# Altium PCB PCB1.PcbDoc (continued)
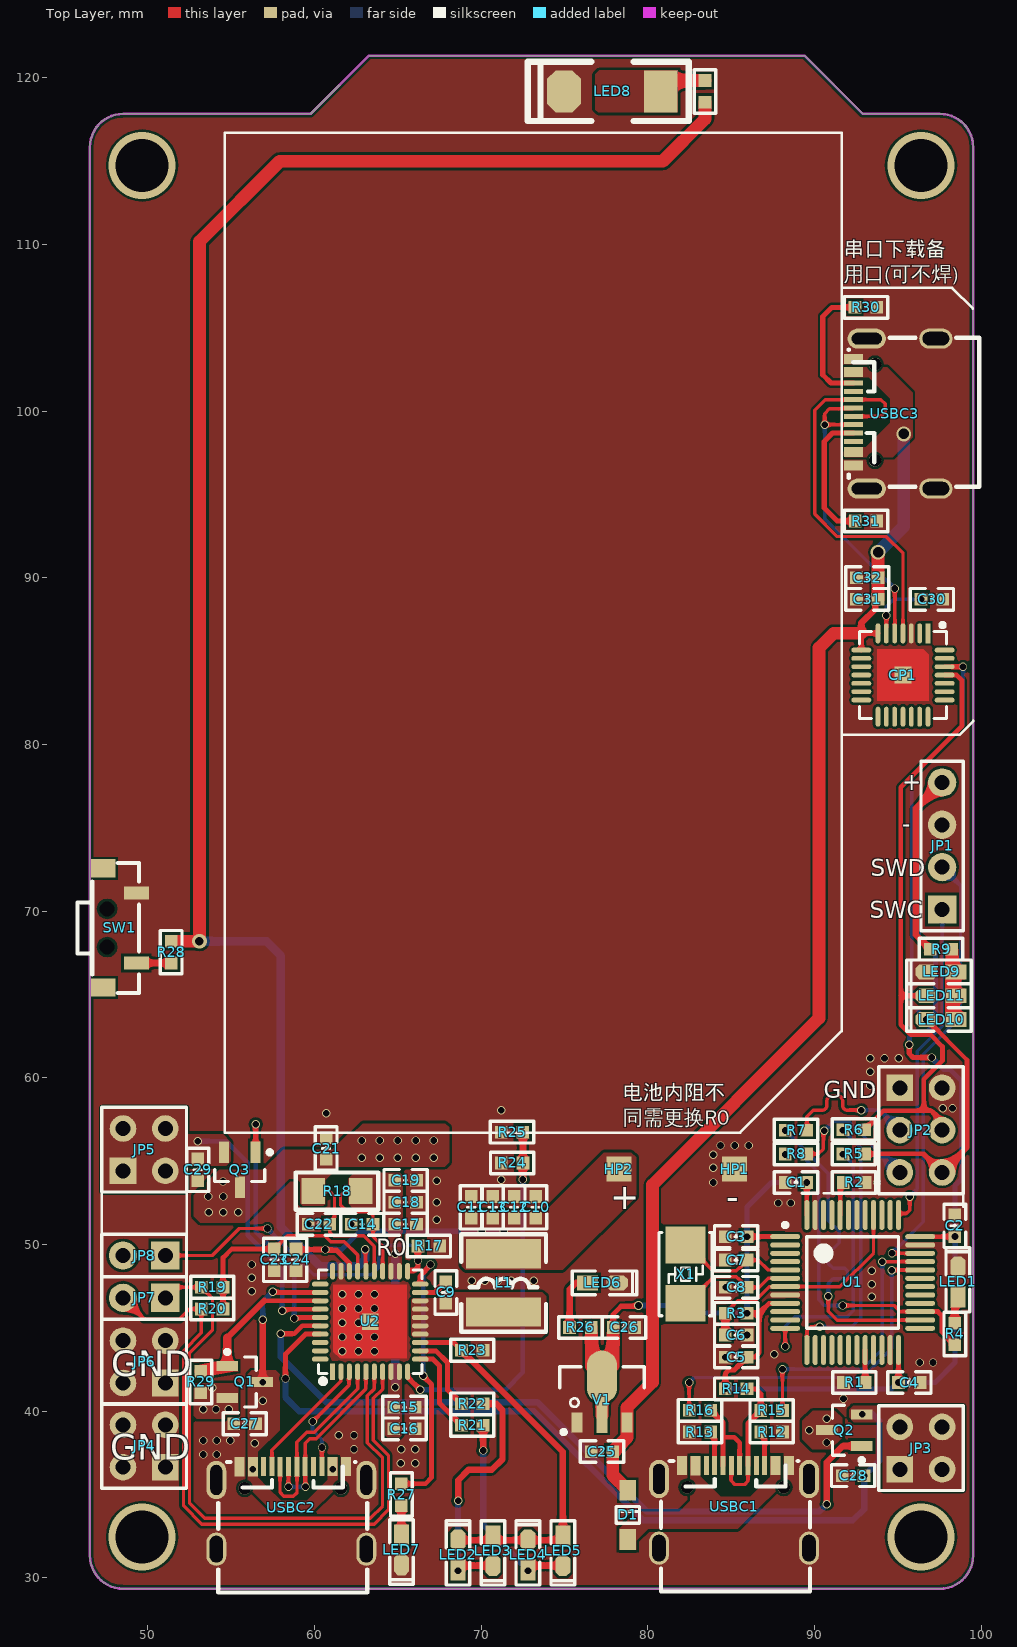
[diagram p0: Top Layer view]
## Nets (pads, with @x,y where several pads share a name; then routed paths per layer and width w, separated by ;. In a path a pad name is that pad's centre, name@x,y a point inside that pad or via, vN(x,y) a via of type N, cw(c..) or ccw(c..) an arc to the next point about the centre after c; other vN are vias at no path point) (continued)
DM: R16.2 U1.32 | length 21.1
  Top Layer w0.203: R16.2 v1(82.482,41.719) ; v1(94.64,48.46) 94.645,48.465 96.342,48.465 U1.32
  Bottom Layer w0.203: v1(82.482,41.719) 82.779,42.016 92.876,42.016 94.64,43.78 v1(94.64,48.46)
DMC: U2.4 USBC2.A7 USBC2.B7 | length 11.8
  Top Layer w0.203: USBC2.B7 57.936,36.656 57.936,35.118 58.158,34.896 58.735,34.896 58.954,35.115 58.954,36.662 USBC2.A7 58.948,38.147 59.536,38.736 59.991,38.736 62.591,41.336 U2.4
DP: R15.2 U1.33 | length 16.5
  Top Layer w0.203: R15.2 v1(88.082,42.52) ; v1(94.08,48.966) 94.082,48.968 96.345,48.968 U1.33
  Bottom Layer w0.203: v1(88.082,42.52) 92.877,42.52 94.08,43.723 v1(94.08,48.966)
DPC: U2.5 USBC2.A6 USBC2.B6 | length 11
  Top Layer w0.203: v1(58.44,35.46) 58.44,36.477 58.48,36.518 58.44,36.558 58.5,36.618 USBC2.A6 ; v1(59.46,35.46) 59.417,35.46 59.408,35.469 59.448,35.509 USBC2.B6 59.448,38.068 59.72,38.34 60.098,38.34 63.087,41.329 63.087,42.367 U2.5
  Bottom Layer w0.203: v1(58.44,35.46) 58.44,35.45 59.45,35.45 v1(59.46,35.46)
GND: C1.1 C2.1 C3.1 C4.1 C5.1 C6.1 C7.1 C8.1 C10.2 C11.2 C12.1 C13.1 C14.1 C15.2 C16.2 C17.2 C18.2 C19.2 C21.1 C22.1 C23.2 C24.2 C25.1 C26.1 C27.1 C28.2 C29.1 C30.2 C31.2 C32.2 CP1.3 CP1.29 HP1.1 JP1.3 JP2.1 JP2.2 JP4.1 JP4.2 JP4.3 JP4.4 JP6.1 JP6.2 JP6.3 JP6.4 LED1.2 LED6.2 LED7.2 LED8.2 LED9.2 R1.2 R2.2 R12.2 R13.1 R17.2 R23.1 R24.2 R25.2 R30.2 R31.1 SW1.2 U1.8 U1.23 U1.35 U1.47 U2.29 U2.41 USBC1.0 USBC1.A1 USBC1.A12 USBC1.B1 USBC1.B12 USBC2.0 USBC2.A1 USBC2.A12 USBC2.B1 USBC2.B12 USBC3.0 USBC3.A1 USBC3.A12 USBC3.B1 USBC3.B12 V1.1
  other v1: 65.187,36.88 66.05,36.88 53.32,37.397 54.13,37.4 62.373,37.72 65.2,37.72 66.05,37.72 53.32,38.24 54.13,38.24 54.94,38.24 61.46,38.549 62.373,38.549 91.747,40.74 96.314,42.915 97.115,42.915 84.656,43.243 87.6,43.42 61.66,43.6 62.64,43.6 63.6,43.6 61.66,44.453 62.64,44.453 63.6,44.453 85.956,44.568 61.66,45.305 62.64,45.305 61.66,46.158 62.64,46.158 63.6,46.158 93.44,46.859 61.66,47.01 62.64,47.01 63.6,47.01 56.233,47.2 84.68,47.438 93.44,47.62 69.44,47.82 70.227,47.82 71.013,47.82 71.8,47.82 73.166,47.82 56.233,48 93.44,48.42 56.233,48.8 59.617,51.212 62.215,51.213 67.348,51.48 87.84,52.491 88.58,52.491 67.348,52.53 83.92,53.721 93.76,53.721 67.348,53.83 71.214,53.881 83.92,54.6 83.92,55.384 84.368,55.936 85.214,55.936 86.06,55.936 60.711,57.88 71.2,58.06 97.693,58.18 98.283,58.18 93.351,59.54 93.351,60.36 93.351,61.18 94.201,61.18 95.051,61.18
KEY: R10.2 R28.1 U2.26 | length 107.8
  Top Layer w0.203: v1(63.04,49.72) 63.073,49.687 63.073,48.415 U2.26
  Top Layer w0.762: R28.1 v5(53.1,68.193) 53.1,110.18 57.92,115 80.9,115 83.44,117.54 R10.2
  Bottom Layer w0.508: v5(53.1,68.193) 57.127,68.193 57.98,67.34 57.98,51.06 60.351,48.689 62.629,48.689 63.04,49.1 v1(63.04,49.72)
LIGHT: R27.1 U2.20 | length 16.6
  Top Layer w0.279: R27.1 66.664,35.644 67.02,36 67.02,41.62 v1(66.52,42.12) ; U2.20 66.341,48.122 66.96,48.74 v1(66.96,48.8)
  Bottom Layer w0.279: v1(66.52,42.12) 66.52,48.3 66.96,48.74 v1(66.96,48.8)
NetC7_2: C7.2 U1.5 X1.2 | length 7.1
  Top Layer w0.203: X1.2 82.372,49.97 83.911,48.432 85.32,48.432 C7.2 86.633,49.067 87.23,48.47 U1.5
NetC8_2: C8.2 U1.6 X1.1 | length 7.1
  Top Layer w0.203: X1.1 82.372,46.47 83.964,48.061 85.32,48.061 C8.2 86.696,47.426 87.24,47.97 U1.6
NetC9_1: C9.1 L1.1 U2.14 U2.15 U2.16 U2.17 U2.18
NetC30_1: C30.1 CP1.6 | length 3.9
  Top Layer w0.203: CP1.6 94.317,86.672 94.317,87.737 v1(94.32,87.74)
  Bottom Layer w0.203: v1(94.32,87.74) 94.32,88.28 94.749,88.709 v1(96.393,88.709)
NetD1_1: D1.1 USBC1.A4 USBC1.A9 USBC1.B4 USBC1.B9
NetLED1_1: LED1.1 R4.2 | length 1.7
  Top Layer w0.381: R4.2 98.423,46.677 LED1.1
NetLED2_1: LED2.1 LED3.2 R22.1 | length 14.7
  Top Layer w0.381: v1(68.62,34.623) 68.62,35.86 69.24,36.48 70.64,36.48 71.28,37.12 71.28,40.06 70.9,40.44 R22.1 ; LED2.1@68.866,30.734 LED3.2
  Bottom Layer w0.381: v1(68.612,30.42) 68.616,30.424 68.616,34.611 68.62,34.615 v1(68.62,34.623)
NetLED2_2: LED2.2 LED3.1 LED4.2 LED5.1 R23.2 U2.13 | length 22.7
  Top Layer w0.305: U2.13 68.352,44.121 R23.2
  Top Layer w0.381: LED2.2 LED4.2 74.651,32.258 LED5.1 74.905,37.568 R23.2
NetLED4_1: LED4.1 LED5.2 R21.1 | length 11.7
  Top Layer w0.381: v1(70.119,37.639) R21.1 ; LED4.1@73.061,30.734 LED5.2
  Bottom Layer w0.127: v1(72.814,30.42) v1@72.814,30.486
  Bottom Layer w0.381: v1(70.119,37.639) 70.119,33.181 v1@72.814,30.486
NetLED6_1: LED6.1 R26.2 | length 3.5
  Top Layer w0.381: R26.2 75.309,47.309 75.699,47.699 LED6.1
NetLED7_1: LED7.1 R27.2 | length 1.8
  Top Layer w0.381: R27.2 65.218,34.341 65.218,32.569 LED7.1
NetLED8_1: LED8.1 R10.1 | length 2.9
  Top Layer w0.762: LED8.1 80.783,119.205 81.418,119.84 R10.1
NetLED9_1: LED9.1 LED10.1 LED11.1 R9.2 | length 4.4
  Top Layer w0.762: R9.2 98.249,63.563 98.313,63.5 LED10.1
NetR1_1: R1.1 U1.20 | length 2
  Top Layer w0.305: R1.1 U1.20
NetR2_1: R2.1 U1.44 | length 2
  Top Layer w0.279: U1.44 91.551,51.774 91.551,53.541 R2.1
NetR12_1: R12.1 USBC1.B5 | length 2.1
  Top Layer w0.305: R12.1 87.011,38.519 87.011,36.734 USBC1.B5
NetR13_2: R13.2 USBC1.A5 | length 2.1
  Top Layer w0.305: R13.2 84.011,38.519 84.011,36.734 USBC1.A5
NetR21_2: R21.2 U2.11 | length 5.4
  Top Layer w0.305: U2.11 66.344,43.118 67.107,43.118 67.514,42.712 67.514,40.453 R21.2
NetR22_2: R22.2 U2.12 | length 4.8
  Top Layer w0.305: U2.12 67.279,43.621 67.978,42.922 67.978,41.281 R22.2
NetR24_1: R24.1 R25.1 U2.10 | length 22.4
  Top Layer w0.279: U2.10 65.591,42.025 66.335,41.281 v1(66.34,41.281)
  Top Layer w0.381: v1(72.507,53.9) 72.507,54.889 R24.1 72.511,54.899 72.511,56.734 R25.1
  Bottom Layer w0.279: v1(66.34,41.281) 71.466,41.281 72.507,42.322 v1(72.507,53.9)
NetR28_2: R28.2 SW1.1 | length 2.1
  Top Layer w0.381: SW1.1 R28.2
NetR30_1: R30.1 USBC3.B5 | length 7.7
  Top Layer w0.305: USBC3.B5 92.336,101.694 90.996,101.694 90.5,102.19 90.5,105.68 91.055,106.235 R30.1
NetR31_2: R31.2 USBC3.A5 | length 8.1
  Top Layer w0.305: USBC3.A5 91.091,98.691 90.589,98.189 90.589,94.191 91.371,93.409 R31.2
NRST: C6.2 R3.1 U1.7 U1.40 | length 14
  Top Layer w0.203: R3.1 85.406,46.62 86.443,46.62 87.294,47.47 U1.7 91.53,47.47 93.547,49.487 U1.40
  Top Layer w0.381: C6.2 R3.1
PA2: R5.1 U1.12 | length 16.4
  Top Layer w0.203: v1(88.247,43.88) U1.12
  Bottom Layer w0.203: v1(88.247,43.88) 88.247,45.094 88.822,45.669 91.973,45.669 92.339,46.035 92.339,54.792 v1(91.711,55.42)
PA3: R6.1 U1.13 | length 16.4
  Top Layer w0.203: U1.13 89.547,44.827 89.78,45.06 v1(90.32,45.06)
  Bottom Layer w0.203: v1(90.32,45.06) 92.236,45.06 92.78,45.604 92.78,55.795 v1(91.711,56.864)
PB13: R7.1 U1.26 | length 20
  Top Layer w0.203: v1(90.84,46.9) 90.84,45.987 91.363,45.464 96.341,45.464 U1.26
  Bottom Layer w0.203: v1(88.247,56.84) 88.26,56.84 90.84,54.26 90.84,51.436 91.48,50.796 91.48,50.1 90.84,49.46 90.84,48.86 91.12,48.58 91.82,48.58 91.983,48.417 91.983,48.103 91.816,47.936 91.116,47.936 90.84,47.66 v1(90.84,46.9)
PB14: R4.1 R8.1 U1.27 | length 19.9
  Top Layer w0.203: v1(91.7,46.34) 94.787,46.34 95.159,45.968 96.345,45.968 U1.27
  Top Layer w0.305: U1.27 96.35,45.968 97.402,45.968 97.663,45.707 97.663,44.74 R4.1
  Bottom Layer w0.203: v1(88.247,55.4) 89.18,55.4 90.263,54.317 90.263,46.677 90.6,46.34 v1(91.7,46.34)
RSET: JP8.1 R17.1 U2.21 | length 21
  Top Layer w0.203: JP8.1 53.859,49.34 55.48,50.96 v1(57.18,50.96)
  Top Layer w0.305: U2.21 65.591,48.439 65.594,48.441 66.001,48.441 66.215,48.655 v1(66.215,49.04) 66.208,49.048 66.208,49.903 R17.1
  Bottom Layer w0.203: v1(57.18,50.96) 59.959,48.181 63.421,48.181 63.86,48.62 63.86,49.6 64.208,49.948 65.842,49.948 66.215,49.574 v1(66.215,49.04)
RX: CP1.25 JP2.4 LED11.2 R6.2 | length 38.4
  Top Layer w0.279: R6.2 94.146,58.029 96.571,58.029 ; LED11.2 95.18,64.929 ; JP2.4 97.559,56.76 97.559,56.864 97.559,57.481 97.011,58.029 96.571,58.029 ; CP1.25@97.814,84.169 98.531,84.169 98.86,83.84 98.86,81.12 95.18,77.44 95.18,64.929 ; 95.18,64.929 95.18,63.18 95.78,62.58 96.98,62.58 97.682,61.878 97.682,61.015 96.571,59.904 96.571,58.029
SDA: JP7.2 R20.2 U2.7 | length 39.7
  Top Layer w0.203: JP7.2 49.793,45.52 51.9,45.52 52.513,46.133 R20.2 53.217,44.7 52.144,43.627 52.144,34.316 53.236,33.224 63.584,33.224 64.442,34.082 64.442,37.341 63.54,38.243 63.54,40.776 64.091,41.327 U2.7
SLK: JP7.1 R19.1 U2.6 | length 37.1
  Top Layer w0.203: JP7.1 51.689,47.434 R19.1 53.226,47.434 53.88,46.78 53.88,44.86 52.5,43.48 52.5,34.5 53.42,33.58 63.36,33.58 64.086,34.306 64.086,37.194 63.18,38.1 63.18,40.919 63.591,41.33 U2.6
SWC: JP2.3 R7.2 | length 8.3
  Top Layer w0.203: R7.2 89.547,57.667 89.94,58.06 90.28,58.06 90.468,58.06 ccw(c90.468,58.342) 90.75,58.342 90.75,58.631 cw(c91.032,58.631) 91.032,58.913 91.408,58.913 cw(c91.408,58.631) 91.69,58.631 91.69,58.342 ccw(c91.972,58.342) 91.972,58.06 v1(92.82,58.06)
  Bottom Layer w0.203: v1(92.82,58.06) 93.927,58.06 JP2.3
SWCIN: JP1.1 U1.37 | length 19.7
  Top Layer w0.203: U1.37 95.047,51.816 95.092,51.861 95.521,51.861 95.72,52.06 v1(95.72,52.87)
  Bottom Layer w0.203: v1(95.72,52.87) 96.177,53.327 96.177,61.597 97.672,63.092 97.672,70.095 JP1.1
SWD: JP2.5 R8.2 | length 8.3
  Top Layer w0.203: R8.2 90.24,55.435 90.532,55.728 90.532,56.763 v1(90.589,56.82)
  Bottom Layer w0.203: v1(90.589,56.82) 91.156,57.387 92.048,57.387 95.111,54.324 JP2.5
SWDIN: JP1.2 U1.34 | length 27
  Top Layer w0.203: v1(94.66,49.48) 94.665,49.475 96.342,49.475 U1.34
  Bottom Layer w0.203: v1(94.66,49.48) 96.536,51.356 96.536,61.429 98.767,63.66 98.767,71.54 JP1.2
TX: CP1.26 JP2.6 LED10.2 R5.2 | length 39.8
  Top Layer w0.279: R5.2 96.552,55.435 JP2.6 99.157,55.818 99.157,61.071 96.728,63.5 v1(96.71,63.5) ; CP1.26 v1(98.92,84.669)
  Bottom Layer w0.203: v1(96.71,63.5) 96.71,63.508 95.84,64.378 95.84,78.12 98.92,81.2 v1(98.92,84.669)
USB_D+: R14.1 R15.1 USBC1.A6 USBC1.B6 | length 8.6
  Top Layer w0.203: USBC1.A6 85.001,36.72 85.001,35.812 85.213,35.6 85.813,35.6 86.013,35.8 USBC1.B6
  Top Layer w0.305: R14.1 86.481,41.339 86.782,41.038 R15.1 86.013,39.27 USBC1.B6
USB_D-: R16.1 USBC1.A7 USBC1.B7 | length 6.2
  Top Layer w0.203: USBC1.B7@84.48,36.697 USBC1.B7
  Top Layer w0.279: 84.513,38.426 85.194,38.426 85.513,38.107 USBC1.A7
  Top Layer w0.305: R16.1 84.513,39.319 84.513,38.44 ; USBC1.B7 84.513,38.426
VBAT+: C10.1 C11.1 C12.2 C13.2 C24.1 HP2.1 L1.2 U2.28 | length 15.2
  Top Layer w0.305: C24.1 58.924,49.7 v1(60.64,49.7) 60.677,49.663 61.318,49.663 62.089,48.892 62.089,48.399 U2.28
  Bottom Layer w0.305: v1(60.64,49.7) 61.643,49.7 62.736,50.793 v1(70.047,50.793) 70.054,50.787 71.342,50.787 v1(71.349,50.78)
VBUS: C27.2 Q1.3 U2.32 USBC2.A4 USBC2.A9 USBC2.B4 USBC2.B9 | length 8.5
  Top Layer w0.279: v1(57.5,47.175) 57.554,47.121 U2.32
  Top Layer w0.381: Q1.3 56.9,41.785 v1(56.9,45.48)
  Bottom Layer w0.279: v1(56.9,45.48) 56.9,46.575 v1(57.5,47.175)
  other v1: 56.293,36.512 61.091,36.512 56.421,38.08 56.9,40.616 56.9,41.735
VBUSG: Q1.1 R29.2 U2.33 | length 9.8
  Top Layer w0.279: 56.981,46.621 U2.33
  Top Layer w0.381: 54.766,44.406 56.981,46.621
  Top Layer w0.508: Q1.1 54.766,44.406
  Top Layer w0.762: R29.2 Q1.1
VMID: C21.2 C22.2 Q1.2 Q2.3 Q3.3 R18.1 R29.1 U2.25 | length 7.8
  Top Layer w0.203: R18.1@60.32,53.2 60.905,53.2 61.2,52.905 61.2,51.493 C22.2 60.92,50.74 61.14,50.52 62.953,50.52 63.591,49.882 U2.25
  other v1: 90.739,38.12 89.7,38.86 90.739,39.547 53.32,40.12 54.09,40.12 54.86,40.12 53.867,41.402 53.65,51.94 54.536,51.94 55.42,51.94 53.634,52.883 54.52,52.883 54.516,53.78 62.84,55.2 63.92,55.2 65,55.2 66.08,55.2 67.16,55.2 62.84,56.24 63.92,56.24 65,56.24 66.08,56.24 67.16,56.24
VOUT1: C28.1 JP3.1 JP3.2 JP3.3 JP3.4 Q2.2 U2.37 | length 50.1
  Top Layer w0.305: v1(58.26,41.96) 58.26,43.42 59.458,44.618 60.339,44.618 U2.37
  Bottom Layer w0.381: v1(58.26,41.96) 58.26,40.82 59.08,40 73.166,40 79.719,33.447 92.307,33.447 92.98,34.12 v1(92.98,36.131) 93.88,37.031 93.88,39.42 93.49,39.81 v1(92.87,39.81)
VOUT1G: Q2.1 U2.36 | length 45.7
  Top Layer w0.279: v1(57.983,44.64) 58.78,44.64 59.261,45.121 U2.36
  Top Layer w0.381: v1(90.739,34.42) 90.739,36.939 91.71,37.91 Q2.1
  Bottom Layer w0.381: v1(57.983,44.64) 57.983,43.257 60.707,40.533 73.387,40.533 79.94,33.98 90.299,33.98 v1(90.739,34.42)
VOUT2: C29.2 JP5.1 JP5.2 JP5.3 JP5.4 Q3.2 U2.34 | length 15.6
  Top Layer w0.279: v1(58.06,46.02) 58.161,46.121 U2.34
  Bottom Layer w0.279: v1(53,56.2) 54.707,56.2 56.007,54.9 56.007,50.553 58.06,48.5 v1(58.06,46.02)
VOUT2G: Q3.1 U2.35 | length 15.9
  Top Layer w0.279: Q3.1 56.475,55.535 56.475,57.215 v1(56.48,57.22) ; v1(58.78,45.56) 58.841,45.621 U2.35
  Bottom Layer w0.279: v1(56.48,57.22) 56.48,50.76 58.78,48.46 v1(58.78,45.56)
VREG: C23.1 R19.2 R20.1 U2.27 | length 13.1
  Top Layer w0.203: C23.1 58.383,50.52 60.62,50.52 60.976,50.164 61.796,50.164 62.591,49.369 U2.27
  Top Layer w0.279: R20.1 R19.2 54.517,49.217 55.03,49.73 C23.1
VSYS: C14.2 C15.1 C16.1 C17.1 C18.1 C19.1 R18.2 U2.8 U2.9 U2.22 U2.23 U2.24 | length 15.7
  Top Layer w0.203: R18.2 61.844,53.204 61.56,52.92 61.56,52.386 61.986,51.96 63.28,51.96 63.515,51.725 C14.2 63.515,50.465 64.091,49.889 U2.24
  Bottom Layer w0.508: v1(64.84,41.44) v1(64.84,49.44)
pads on no net: CP1.1 CP1.2 CP1.9 CP1.10 CP1.11 CP1.12 CP1.13 CP1.14 CP1.15 CP1.16 CP1.17 CP1.18 CP1.19 CP1.20 CP1.21 CP1.22 CP1.23 CP1.24 CP1.27 CP1.28 JP8.2 SW1.0 U1.2 U1.3 U1.4 U1.10 U1.11 U1.14 U1.15 U1.16 U1.17 U1.18 U1.19 U1.21 U1.22 U1.25 U1.28 U1.29 U1.30 U1.31 U1.38 U1.39 U1.41 U1.42 U1.43 U1.45 U1.46 U2.1 U2.30 U2.31 U2.38 U2.39 U2.40 USBC1. USBC1.A8 USBC1.B8 USBC2. USBC2.A8 USBC2.B8 USBC3. USBC3.A8 USBC3.B8
copper on no net:
  other v2: 49.657,32.448 96.393,32.448 49.657,114.745 96.393,114.745

## Polygon pours and split planes (outlines as drawn)
GND on Top Layer "Top Layer-GND" (solid, remove dead copper, pour order 126): 46.525,31.343 46.525,115.843 cw(c48.525,115.843) 48.525,117.843 59.775,117.843 63.275,121.343 89.4,121.343 92.9,117.843 97.525,117.843 cw(c97.525,115.843) 99.525,115.843 99.525,31.343 cw(c97.525,31.343) 97.525,29.343 48.525,29.343 cw(c48.525,31.343)
NetLED8_1 on Top Layer "Top Layer-NetLED8_1" (solid, pour order 124): 81.796,120.456 77.086,120.456 76.848,120.218 76.848,118.104 77.025,117.926 81.794,117.926
VMID on Top Layer "Top Layer-VMID" (solid, remove dead copper, pour order 112): 60.326,55.692 58.118,55.692 56.904,54.478 54.287,54.478 52.758,52.95 52.758,51.697 53.144,51.311 55.848,51.311 58.474,53.938 58.927,53.938 59.336,53.529 60.083,53.529 60.839,54.285 60.839,55.25
VMID on Top Layer "Top Layer-VMID 2" (solid, remove dead copper, pour order 108): 61.07,55.694 61.983,56.607 62.24,56.607 62.893,57.26 67.85,57.26 68.078,57.031 68.078,54.927 67.824,54.673 61.462,54.673 61.07,54.282
VMID on Top Layer "Top Layer-VMID 3" (solid, remove dead copper, pour order 106): 59.136,52.472 59.296,52.311 60.541,52.311 60.635,52.406 60.635,53.846 61.385,54.597 61.385,55.378 61.07,55.694 60.326,55.694 59.136,54.823
VOUT2 on Top Layer "Top Layer-VOUT2" (solid, pour order 86): 54.536,56.62 51.94,56.62 50.54,55.22 50.54,54.72 54.694,54.72 54.966,54.992 54.96,56.175
VMID on Top Layer "Top Layer-VMID 1" (solid, pour order 84): 91.23,40.02 91.66,39.59 91.66,38.4 90.96,37.7 89.88,37.7 89.28,38.3 89.28,39.414 89.886,40.02
VSYS on Top Layer "Top Layer-VSYS" (solid, remove dead copper, pour order 8): 64.44,42.84 64.481,42.88 65.2,42.88 65.242,42.838 65.242,38.553 65.115,38.426 64.358,38.426 64.237,38.547 64.24,40.84 64.443,41.043
VOUT1 on Top Layer "Top Layer-VOUT1" (solid, remove dead copper, pour order 60): 92.1,40.08 92.34,40.32 94.64,40.32 94.82,40.14 94.82,39.58 94.588,39.348 92.375,39.348 92.1,39.623
VMID on Top Layer "Top Layer-VMID 4" (solid, remove dead copper, pour order 56): 52.757,39.72 52.934,39.544 55.213,39.544 55.42,39.751 55.42,41.549 55.289,41.68 52.86,41.68 52.757,41.577
VOUT2 on Top Layer "Top Layer-VOUT2 1" (solid, remove dead copper, pour order 46): 47.26,58.229 52.32,58.229 52.32,53.158 52.311,53.149 47.26,53.149
VOUT1 on Top Layer "Top Layer-VOUT1 1" (solid, remove dead copper, pour order 44): 94.1,40.32 94.1,35.24 98.931,35.24 98.94,35.25 98.94,40.32
+5 on Top Layer "Top Layer-+5" (solid, remove dead copper, pour order 42): 91.78,97.84 93.08,97.84 94.54,99.3 94.54,100.76 93.26,102.04 91.76,102.04 91.76,102.64 94.36,102.64 95.9,101.1 95.9,98.44 94.7,97.24 91.76,97.24
VSYS on Top Layer "Top Layer-VSYS 1" (solid, remove dead copper, pour order 18): 64.443,47.92 64.443,50.691 64.24,50.848 64.24,51.8 63.86,52.18 62.311,52.18 62.02,52.471 62.02,53.94 62.4,54.32 65.112,54.32 65.3,54.132 65.3,50.74 65.235,50.675 65.242,47.976 65.187,47.92
VBAT+ on Top Layer "Top Layer-VBAT+" (solid, remove dead copper, pour order 36): 73.055,52.04 73.882,52.04 77.362,55.52 79.024,55.52 79.3,55.244 79.3,52.87 74.9,48.47 73.04,48.47
VBAT+ on Top Layer "Top Layer-VBAT+ 1" (solid, remove dead copper, pour order 30): 68.816,51.796 69.06,52.04 73.6,52.04 73.88,51.76 73.88,48.657 73.694,48.471 69.049,48.471 68.824,48.696
NetD1_1 on Top Layer "Top Layer-NetD1_1" (solid, remove dead copper, pour order 24): 78.81,33.45 78.3,32.94 78.3,31.68 79.3,31.68 79.3,32.22 80.02,32.94 80.02,33.45
NetD1_1 on Top Layer "Top Layer-NetD1_1 1" (solid, pour order 22): 82.563,34.623 81.9,33.96 79.32,33.96 78.3,32.94 85.4,32.94 86.66,34.2 86.237,34.623
NetD1_1 on Top Layer "Top Layer-NetD1_1 2" (solid, remove dead copper, pour order 20): 82.56,37.3 83.16,37.3 83.16,36.08 84.38,34.86 86.16,34.86 87.36,36.06 87.36,37.3 87.96,37.3 87.96,35.5 86.66,34.2 82.56,34.2
NetC9_1 on Top Layer "Top Layer-NetC9_1" (solid, remove dead copper, pour order 14): 65.8,44.545 65.925,44.42 73.64,44.42 73.9,44.68 73.9,46.9 73.679,47.121 67.761,47.121 67.416,46.776 65.901,46.776 65.8,46.675
VBUS on Top Layer "Top Layer-VBUS" (solid, remove dead copper, pour order 6): 56.007,36.082 56.007,42.226 56.229,42.448 57.692,42.448 57.912,42.227 57.912,38.862 56.61,37.56 56.61,36.082
VBUS on Top Layer "Top Layer-VBUS 1" (solid, remove dead copper, pour order 0): 56.007,37.243 56.61,37.243 56.61,36.007 57.15,35.467 57.994,34.623 59.539,34.623 60.166,35.251 60.666,35.75 60.801,35.886 60.801,37.243 61.404,37.243 61.404,35.484 59.9,33.98 57.48,33.98 56.007,35.453
GND on Bottom Layer "Bottom Layer-GND" (solid, remove dead copper, pour order 100): 46.525,31.343 46.525,115.843 cw(c48.525,115.843) 48.525,117.843 59.775,117.843 63.275,121.343 89.4,121.343 92.9,117.843 97.525,117.843 cw(c97.525,115.843) 99.525,115.843 99.525,31.343 cw(c97.525,31.343) 97.525,29.343 48.525,29.343 cw(c48.525,31.343)
VMID on Bottom Layer "Bottom Layer-VMID" (solid, pour order 90): 55.48,54.46 54.268,54.46 52.759,52.951 52.759,39.719 52.938,39.54 55.217,39.54 55.42,39.743 55.42,51.012 55.82,51.412 55.82,54.22 55.58,54.46
VMID on Bottom Layer "Bottom Layer-VMID 1" (solid, pour order 82): 62.24,54.673 72.666,54.673 73.679,53.66 73.679,44.701 80.68,37.7 91.123,37.7 91.66,38.237 91.66,39.59 91.23,40.02 82.92,40.02 76.76,46.18 76.76,54.9 74.4,57.26 62.893,57.26 62.24,56.607
VBUS on Bottom Layer "Bottom Layer-VBUS" (solid, remove dead copper, pour order 2): 56.007,37.243 56.61,37.243 60.801,37.243 61.404,37.243 61.404,35.98 56.007,35.98
VBUS on Bottom Layer "Bottom Layer-VBUS 1" (solid, remove dead copper, pour order 4): 56.007,36.082 56.007,42.224 56.231,42.448 57.689,42.448 57.912,42.225 57.912,36.772 57.222,36.082
GND on Bottom Overlay (solid, remove dead copper): 46.525,31.343 46.525,115.843 cw(c48.525,115.843) 48.525,117.843 59.775,117.843 63.275,121.343 89.4,121.343 92.9,117.843 97.525,117.843 cw(c97.525,115.843) 99.525,115.843 99.525,31.343 cw(c97.525,31.343) 97.525,29.343 48.525,29.343 cw(c48.525,31.343)
NetLED8_1 on Top Solder (solid, pour order 118): 81.794,120.466 77.102,120.466 76.848,120.212 76.848,118.104 77.032,117.919 81.796,117.919

## Keep-outs
Keep-Out Layer:
  the board outline again, w0.152

## Silkscreen, mask and mechanical layers (free items; w line width, h text height)
Top Overlay:
  lines w0.152: 90.551,53.086 98.933,53.086 ; 91.63,80.575 98.698,80.575 99.536,81.413 ; 91.63,107.404 98.266,107.404 99.511,106.159 ; 93.853,35.242 93.853,40.335 ; 98.933,35.242 98.933,40.335 ; 98.933,52.261 98.933,60.642 ; 47.244,40.462 47.244,45.529 ; 47.244,40.462 52.311,40.462 52.324,40.45 52.324,45.529 ; 47.244,40.462 47.244,35.369 52.324,35.369 52.324,40.462 47.244,40.462 ; 47.244,45.529 47.244,48.069 ; 47.244,45.529 52.324,45.529 ; 47.244,48.069 47.244,50.609 ; 47.244,48.069 52.324,48.069 ; 47.244,50.609 47.244,53.149 52.324,53.149 52.324,48.069 ; 47.244,50.609 52.324,50.609 52.324,48.069 ; 52.324,45.529 52.324,48.069 ; 54.631,56.713 85.542,56.713 91.63,62.801 91.63,116.713 54.631,116.713 54.631,56.713
  text "串口下载备 / 用口(可不焊)" at 91.751,107.486 h1.52
  text "+" at 95.256,77.254 h1.02
  text "-" at 95.256,74.739 h1.02
  text "SWD" at 93.375,72.111 h1.02
  text "SWC" at 93.326,69.583 h1.02
  text "GND" at 90.551,58.769 h1.02
  text "电池内阻不 / 同需更换R0" at 78.486,56.871 h1.52
  text "+" at 77.743,52.108 h1.52
  text "-" at 84.722,52.108 h1.52
  text "R0" at 63.722,49.333 h1.02
  text "GND" at 47.816,42.1 h1.52
  text "GND" at 47.752,37.084 h1.52
Bottom Overlay:
  lines w0.152: 47.231,35.369 52.951,35.369 53.144,35.562 53.144,39.122 ; 47.231,58.229 54.794,58.229 55.514,57.51 55.514,57.34 ; 47.238,53.137 54.845,53.137 55.52,53.812 55.52,54.026 ; 47.244,45.523 52.591,45.523 52.915,45.523 ; 47.244,50.603 55.715,50.603 55.937,50.381 55.937,50.127 55.95,50.114 59.398,50.114 52.661,50.114 ; 52.661,45.968 52.667,45.961 59.398,45.961 59.392,45.968 55.937,45.968 55.944,45.961 55.944,45.834 55.632,45.523 52.915,45.523 ; 52.813,38.792 53.143,39.122 53.144,39.122 ; 52.889,41.941 53.187,41.643 ; 53.473,38.792 53.144,39.121 ; 53.473,41.929 53.188,41.643 ; 54.553,66.116 55.354,66.415 ; 55.354,65.811 54.54,66.116 55.354,66.116 59.493,66.116 62.713,69.336 ; 55.493,70.193 90.875,70.193 ; 55.514,56.604 55.514,57.353 ; 55.52,53.943 55.52,54.699 ; 55.658,75.667 90.875,75.667 ; 58.407,81.261 90.83,81.261 ; 64.96,29.693 65.215,29.439 ; 65.215,30.582 65.215,29.439 ; 65.468,29.693 65.215,29.439 ; 66.669,66.923 90.875,66.923 ; 68.37,29.693 68.624,29.439 ; 68.624,30.582 68.624,29.439 ; 68.878,29.693 68.624,29.439 ; 70.466,29.693 70.72,29.439 ; 70.72,30.582 70.72,29.439 ; 70.974,29.693 70.72,29.439 ; 72.555,29.693 72.809,29.439 ; 72.809,30.582 72.809,29.439 ; 73.063,29.693 72.809,29.439 ; 74.632,29.693 74.886,29.439 ; 74.886,30.582 74.886,29.439 ; 75.14,29.693 74.886,29.439 ; 88.265,57.664 93.275,57.664 90.748,57.664 90.691,57.721 90.691,57.861 90.83,58.001 90.957,58.128 98.933,58.128 ; 88.475,53.575 93.345,53.575 90.678,53.575 90.678,53.238 90.862,53.054 98.927,53.054 ; 91.675,36.855 91.675,35.77 92.189,35.255 98.933,35.255 ; 91.675,38.71 91.675,39.738 92.266,40.329 98.933,40.329 ; 52.915,45.523 53.188,45.25 53.188,41.643 ; 53.144,39.121 53.144,39.122 ; 53.144,39.121 53.144,39.122 ; 53.187,41.643 53.188,41.643
  text "按键持续时间长于60ms，但小于2s，/ / 会打开电量显示灯和升压输出。" at 90.907,81.369 h2
  text "按键持续时间长于2s，即为长按动作，/ / 长按会开启或者关闭照明WLED。" at 90.951,75.781 h2
  text "在1s内连续两次短按键，/ / 会关闭升压输出、电量显示和照明WLED。" at 90.951,70.199 h2
  text "超长按10s可复位整个系统。" at 90.951,66.98 h2
  text "电源" at 99.301,66.027 h1.52
  text "按键控制 / 电源功能" at 54.045,64.795 h1.52
  text "RX" at 99.149,64.414 h1.02
  text "TX" at 99.149,62.992 h1.02
  text "GND" at 91.954,58.909 h1.02
  text "SC" at 89.954,56.445 h1.02
  text "A9" at 93.294,56.445 h1.02
  text "VOUT2" at 58.255,55.124 h1.02
  text "SD" at 89.954,53.797 h1.02
  text "A10" at 93.294,53.797 h1.02
  text "空" at 53.639,48.891 h1.52
  text "REST" at 59.309,48.825 h1.02
  text "下载" at 99.435,47.428 h1.02
  text "SDA" at 55.181,46.222 h1.02
  text "SCL" at 59.309,46.222 h1.02
  text "电量::1  2  3  4" at 79.972,40.617 h1.52
  text "GND" at 55.595,39.954 h1.02
  text "20%  亮 亮 亮 亮" at 79.972,39.185 h1.52
  text "75%  亮 亮 亮 闪" at 79.972,37.752 h1.52
  text "VOUT1" at 93.605,37.268 h1.02
  text "50%  亮 亮 闪 灭" at 79.972,36.319 h1.52
  text "25%  亮 闪 灭 灭" at 79.972,34.887 h1.52
  text "05%  闪 灭 灭 灭" at 79.972,33.454 h1.52
  text "电池充 /   电口" at 60.338,31.864 h1.52
  text "jlink / 下载口" at 86.944,31.68 h1.52
  text "1" at 68.853,30.944 h1.02
  text "2" at 71.056,30.944 h1.02
  text "3" at 73.152,30.944 h1.02
  text "4" at 75.267,30.944 h1.02
  text "快 / 充 / 指 / 示 / 灯" at 65.634,30.734 h1.02